# Altium PCB qfc.PcbDoc (part 8 of 13)
Units mil, origin at the board's own origin, x right, y up, seen from the top; angles counter-clockwise.
Board outline 1990 x 2620 mil, 4 copper layers (Top Layer, Mid-Layer 1, Mid-Layer 2, Bottom Layer); 217 components, 187 nets, 805 pads, 370 vias.
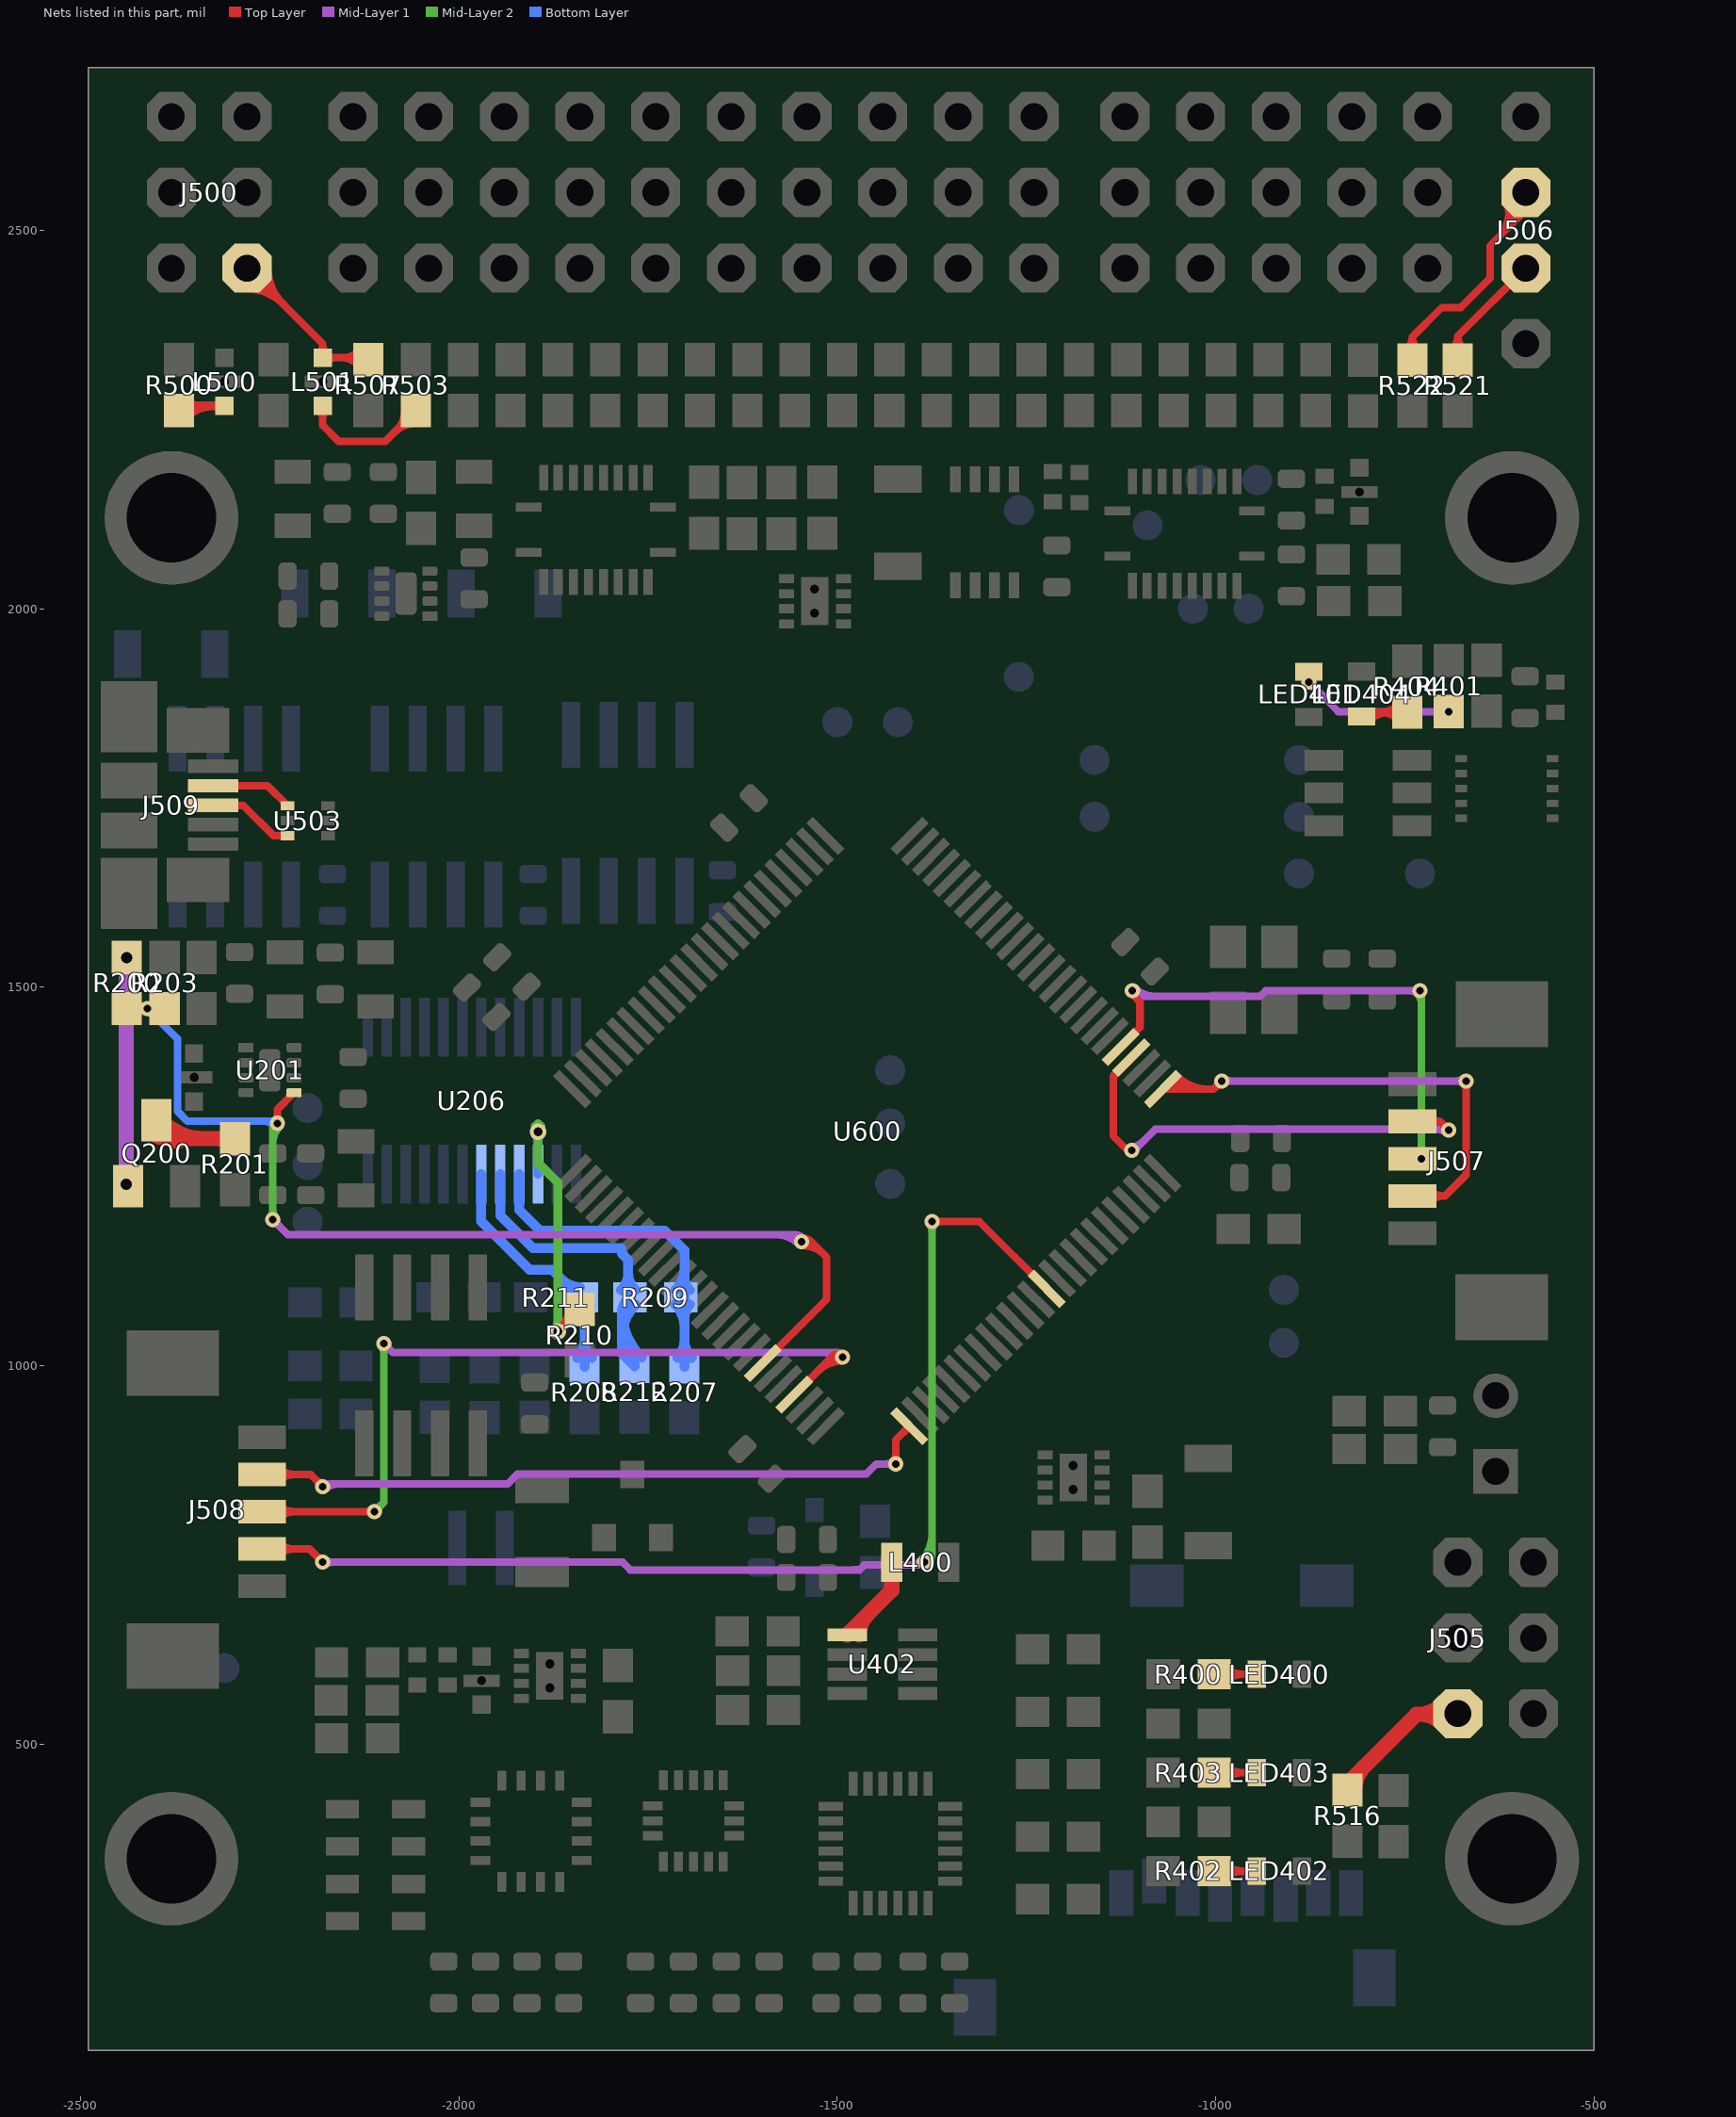
[diagram p10: the nets of this part, all layers, seen from the top]

## Via types
v1: diameter 20, hole 10, Top Layer to Bottom Layer, tented both sides, 256 vias
v2: diameter 22, hole 12, Top Layer to Bottom Layer, tented both sides, 31 vias
v3: diameter 25, hole 15, Top Layer to Bottom Layer, tented both sides, 29 vias
v4: diameter 20, hole 12, Top Layer to Bottom Layer, tented both sides, 17 vias
v5: diameter 30, hole 15, Top Layer to Bottom Layer, tented both sides, 12 vias
v6: diameter 25, hole 12, Top Layer to Bottom Layer, tented both sides, 11 vias
v7: diameter 25, hole 13, Top Layer to Bottom Layer, tented both sides, 5 vias
v8: diameter 40, hole 25, Top Layer to Bottom Layer, tented both sides, 2 vias
v9: diameter 23, hole 13, Top Layer to Bottom Layer, tented both sides, 2 vias
v10: diameter 30, hole 20, Top Layer to Bottom Layer, tented both sides, 2 vias
v11: diameter 20, hole 13, Top Layer to Bottom Layer, tented both sides, 1 vias
v12: diameter 20, hole 15, Top Layer to Bottom Layer, tented both sides, 1 vias
v13: diameter 30, hole 18, Top Layer to Bottom Layer, tented both sides, 1 vias

## Nets (pads, with @x,y where several pads share a name; then routed paths per layer and width w, separated by ;. In a path a pad name is that pad's centre, name@x,y a point inside that pad or via, vN(x,y) a via of type N, cw(c..) or ccw(c..) an arc to the next point about the centre after c; other vN are vias at no path point) (continued)
NetJ500_2: J500.2 L501.P$1 R507.2 | length 1347.9
  Top Layer w10: J500.2@-2280,2450 -2180,2350 L501.P$1@-2180,2331.5 R507.2@-2114.5,2331.5 ; J500.2@-2280,2422.5 cw(c-2280,2356.11) -2233.05,2403.06 ; J500.2@-2280,2422.5 cw(c-2280,2356.11) -2233.05,2403.06 ; J500.2@-2280,2422.5 cw(c-2280,2356.11) -2233.05,2403.06 ; J500.2@-2280,2422.5 cw(c-2280,2356.11) -2233.05,2403.06 ; J500.2@-2280,2432.5 cw(c-2280,2390.25) -2250.13,2420.13 ; J500.2@-2280,2432.5 cw(c-2280,2390.25) -2250.13,2420.13 ; J500.2@-2280,2432.5 cw(c-2280,2390.25) -2250.13,2420.13 ; J500.2@-2280,2432.5 cw(c-2280,2390.25) -2250.13,2420.13 ; J500.2@-2262.5,2450 ccw(c-2220.25,2450) -2250.13,2420.13 ; J500.2@-2262.5,2450 ccw(c-2220.25,2450) -2250.13,2420.13 ; J500.2@-2262.5,2450 ccw(c-2220.25,2450) -2250.13,2420.13 ; J500.2@-2262.5,2450 ccw(c-2220.25,2450) -2250.13,2420.13 ; J500.2@-2252.5,2450 ccw(c-2186.11,2450) -2233.05,2403.06 ; J500.2@-2252.5,2450 ccw(c-2186.11,2450) -2233.05,2403.06 ; J500.2@-2252.5,2450 ccw(c-2186.11,2450) -2233.05,2403.06 ; J500.2@-2252.5,2450 ccw(c-2186.11,2450) -2233.05,2403.06 ; L501.P$1@-2184.95,2336.45 ccw(c-2196.9,2348.4) -2180,2348.4 ; L501.P$1@-2184.95,2336.45 ccw(c-2196.9,2348.4) -2180,2348.4 ; L501.P$1@-2184.95,2336.45 ccw(c-2196.9,2348.4) -2180,2348.4 ; L501.P$1@-2184.95,2336.45 ccw(c-2196.9,2348.4) -2180,2348.4 ; -2180,2348.4 ccw(c-2163.1,2348.4) L501.P$1@-2175.05,2336.45 ; -2180,2348.4 ccw(c-2163.1,2348.4) L501.P$1@-2175.05,2336.45 ; -2180,2348.4 ccw(c-2163.1,2348.4) L501.P$1@-2175.05,2336.45 ; -2180,2348.4 ccw(c-2163.1,2348.4) L501.P$1@-2175.05,2336.45 ; L501.P$1@-2175.05,2326.55 cw(c-2163.1,2314.6) -2163.1,2331.5 ; L501.P$1@-2175.05,2326.55 cw(c-2163.1,2314.6) -2163.1,2331.5 ; L501.P$1@-2175.05,2326.55 cw(c-2163.1,2314.6) -2163.1,2331.5 ; L501.P$1@-2175.05,2326.55 cw(c-2163.1,2314.6) -2163.1,2331.5 ; L501.P$1@-2175.05,2336.45 ccw(c-2163.1,2348.4) -2163.1,2331.5 ; L501.P$1@-2175.05,2336.45 ccw(c-2163.1,2348.4) -2163.1,2331.5 ; L501.P$1@-2175.05,2336.45 ccw(c-2163.1,2348.4) -2163.1,2331.5 ; L501.P$1@-2175.05,2336.45 ccw(c-2163.1,2348.4) -2163.1,2331.5 ; -2157.04,2331.5 cw(c-2157.04,2293.59) R507.2@-2130.24,2320.39 ; -2157.04,2331.5 cw(c-2157.04,2293.59) R507.2@-2130.24,2320.39 ; -2157.04,2331.5 cw(c-2157.04,2293.59) R507.2@-2130.24,2320.39 ; -2157.04,2331.5 cw(c-2157.04,2293.59) R507.2@-2130.24,2320.39 ; -2154.65,2331.5 ccw(c-2154.65,2366.02) R507.2@-2130.24,2341.61 ; -2154.65,2331.5 ccw(c-2154.65,2366.02) R507.2@-2130.24,2341.61 ; -2154.65,2331.5 ccw(c-2154.65,2366.02) R507.2@-2130.24,2341.61 ; -2154.65,2331.5 ccw(c-2154.65,2366.02) R507.2@-2130.24,2341.61
NetJ505_1: J505.1 R516.2 | length 537.9
  Top Layer w20: R516.2@-825.76,438.96 -825.76,447.95 -734.71,539 ; J505.1@-681,539 -734.71,539 ; J505.1@-681,540 J505.1@-680,540 ; R516.2@-815.76,440.96 cw(c-774.73,440.96) -803.74,469.97 ; R516.2@-815.76,440.96 cw(c-774.73,440.96) -803.74,469.97 ; R516.2@-815.76,440.96 cw(c-774.73,440.96) -803.74,469.97 ; -734.71,539 ccw(c-734.71,591.92) J505.1@-696.32,555.49 ; -734.71,539 ccw(c-734.71,591.92) J505.1@-696.32,555.49 ; -734.71,539 ccw(c-734.71,591.92) J505.1@-696.32,555.49 ; -731.9,539 cw(c-731.9,488.1) J505.1@-695.91,524.09 ; -731.9,539 cw(c-731.9,488.1) J505.1@-695.91,524.09 ; -731.9,539 cw(c-731.9,488.1) J505.1@-695.91,524.09
NetJ506_1: J506.1 R521.1 | length 321
  Top Layer w10: R521.1@-680,2328.46 -680,2360 ; J506.1@-590,2450 -680,2360 ; R521.1@-688.85,2342.58 ccw(c-701.57,2360) -680,2360 ; R521.1@-688.85,2342.58 ccw(c-701.57,2360) -680,2360 ; R521.1@-688.85,2342.58 ccw(c-701.57,2360) -680,2360 ; R521.1@-688.85,2342.58 ccw(c-701.57,2360) -680,2360 ; -680,2360 ccw(c-658.43,2360) R521.1@-671.16,2342.58 ; -680,2360 ccw(c-658.43,2360) R521.1@-671.16,2342.58 ; -680,2360 ccw(c-658.43,2360) R521.1@-671.16,2342.58 ; -680,2360 ccw(c-658.43,2360) R521.1@-671.16,2342.58
NetJ506_2: J506.2 R522.1 | length 993
  Top Layer w10: R522.1@-740,2328.47 -740,2359 ; J506.2@-590,2550 -590,2527 -637.5,2479.5 -637.5,2436.5 -676,2398 -701,2398 -740,2359 ; R522.1@-748.5,2342.82 ccw(c-759.64,2359) -740,2359 ; R522.1@-748.5,2342.82 ccw(c-759.64,2359) -740,2359 ; R522.1@-748.5,2342.82 ccw(c-759.64,2359) -740,2359 ; R522.1@-748.5,2342.82 ccw(c-759.64,2359) -740,2359 ; -740,2359 ccw(c-720.36,2359) R522.1@-731.5,2342.82 ; -740,2359 ccw(c-720.36,2359) R522.1@-731.5,2342.82 ; -740,2359 ccw(c-720.36,2359) R522.1@-731.5,2342.82 ; -740,2359 ccw(c-720.36,2359) R522.1@-731.5,2342.82 ; -626,2491 ccw(c-658.48,2523.48) J506.2@-615.64,2540.07 ; -626,2491 ccw(c-658.48,2523.48) J506.2@-615.64,2540.07 ; -626,2491 ccw(c-658.48,2523.48) J506.2@-615.64,2540.07 ; -626,2491 ccw(c-658.48,2523.48) J506.2@-615.64,2540.07 ; -615.14,2501.86 ccw(c-642.83,2529.54) J506.2@-606.32,2543.68 ; -615.14,2501.86 ccw(c-642.83,2529.54) J506.2@-606.32,2543.68 ; -615.14,2501.86 ccw(c-642.83,2529.54) J506.2@-606.32,2543.68 ; -615.14,2501.86 ccw(c-642.83,2529.54) J506.2@-606.32,2543.68 ; -604.29,2512.71 ccw(c-627.18,2535.6) J506.2@-596.99,2547.29 ; -604.29,2512.71 ccw(c-627.18,2535.6) J506.2@-596.99,2547.29 ; -604.29,2512.71 ccw(c-627.18,2535.6) J506.2@-596.99,2547.29 ; -604.29,2512.71 ccw(c-627.18,2535.6) J506.2@-596.99,2547.29
NetJ507_2: J507.2 U600.1 | length 1400.6
  Top Layer w10: U600.1@-1069.7,1365.13 -1002.87,1365.13 v1(-992,1376) ; J507.2@-740,1223.94 -697.06,1223.94 -669,1252 v1(-669,1376) ; U600.1@-1066.17,1368.66 ccw(c-1057.63,1377.2) -1057.63,1365.13 ; U600.1@-1066.17,1368.66 ccw(c-1057.63,1377.2) -1057.63,1365.13 ; U600.1@-1066.17,1368.66 ccw(c-1057.63,1377.2) -1057.63,1365.13 ; U600.1@-1066.17,1368.66 ccw(c-1057.63,1377.2) -1057.63,1365.13 ; U600.1@-1059.1,1375.73 ccw(c-1033.49,1401.34) -1033.49,1365.13 ; U600.1@-1059.1,1375.73 ccw(c-1033.49,1401.34) -1033.49,1365.13 ; U600.1@-1059.1,1375.73 ccw(c-1033.49,1401.34) -1033.49,1365.13 ; U600.1@-1059.1,1375.73 ccw(c-1033.49,1401.34) -1033.49,1365.13 ; U600.1@-1052.03,1382.8 ccw(c-1009.35,1425.48) -1009.35,1365.13 ; U600.1@-1052.03,1382.8 ccw(c-1009.35,1425.48) -1009.35,1365.13 ; U600.1@-1052.03,1382.8 ccw(c-1009.35,1425.48) -1009.35,1365.13 ; U600.1@-1052.03,1382.8 ccw(c-1009.35,1425.48) -1009.35,1365.13 ; -1000.54,1367.46 cw(c-992,1358.93) v1@-992,1371 ; -1000.54,1367.46 ccw(c-1009.07,1376) v1@-997,1376 ; -1000.54,1367.46 cw(c-992,1358.93) v1@-992,1371 ; -1000.54,1367.46 ccw(c-1009.07,1376) v1@-997,1376 ; -1000.54,1367.46 cw(c-992,1358.93) v1@-992,1371 ; -1000.54,1367.46 ccw(c-1009.07,1376) v1@-997,1376 ; J507.2@-716.65,1216.34 cw(c-698.3,1197.99) -698.3,1223.94 ; J507.2@-716.65,1216.34 cw(c-698.3,1197.99) -698.3,1223.94 ; J507.2@-716.65,1216.34 cw(c-698.3,1197.99) -698.3,1223.94 ; J507.2@-716.65,1216.34 cw(c-698.3,1197.99) -698.3,1223.94 ; J507.2@-716.65,1231.54 ccw(c-698.3,1249.88) -698.3,1223.94 ; J507.2@-716.65,1231.54 ccw(c-698.3,1249.88) -698.3,1223.94 ; J507.2@-716.65,1231.54 ccw(c-698.3,1249.88) -698.3,1223.94 ; J507.2@-716.65,1231.54 ccw(c-698.3,1249.88) -698.3,1223.94 ; v1@-672.54,1372.46 cw(c-681.07,1363.93) -669,1363.93 ; v1@-672.54,1372.46 cw(c-681.07,1363.93) -669,1363.93 ; v1@-672.54,1372.46 cw(c-681.07,1363.93) -669,1363.93 ; v1@-672.54,1372.46 cw(c-681.07,1363.93) -669,1363.93 ; -669,1363.93 cw(c-656.93,1363.93) v1@-665.46,1372.46 ; -669,1363.93 cw(c-656.93,1363.93) v1@-665.46,1372.46 ; -669,1363.93 cw(c-656.93,1363.93) v1@-665.46,1372.46 ; -669,1363.93 cw(c-656.93,1363.93) v1@-665.46,1372.46
  Mid-Layer 1 w10: v1(-992,1376) v1(-669,1376) ; v1@-988.46,1372.46 cw(c-979.93,1363.93) -979.93,1376 ; v1@-988.46,1372.46 cw(c-979.93,1363.93) -979.93,1376 ; v1@-988.46,1372.46 cw(c-979.93,1363.93) -979.93,1376 ; v1@-988.46,1372.46 cw(c-979.93,1363.93) -979.93,1376 ; v1@-988.46,1379.54 ccw(c-979.93,1388.07) -979.93,1376 ; v1@-988.46,1379.54 ccw(c-979.93,1388.07) -979.93,1376 ; v1@-988.46,1379.54 ccw(c-979.93,1388.07) -979.93,1376 ; v1@-988.46,1379.54 ccw(c-979.93,1388.07) -979.93,1376 ; -681.07,1376 cw(c-681.07,1363.93) v1@-672.54,1372.46 ; -681.07,1376 ccw(c-681.07,1388.07) v1@-672.54,1379.54 ; -681.07,1376 cw(c-681.07,1363.93) v1@-672.54,1372.46 ; -681.07,1376 ccw(c-681.07,1388.07) v1@-672.54,1379.54 ; -681.07,1376 cw(c-681.07,1363.93) v1@-672.54,1372.46 ; -681.07,1376 ccw(c-681.07,1388.07) v1@-672.54,1379.54 ; -681.07,1376 cw(c-681.07,1363.93) v1@-672.54,1372.46 ; -681.07,1376 ccw(c-681.07,1388.07) v1@-672.54,1379.54
NetJ507_3: J507.3 U600.5 | length 1138.5
  Top Layer w10: U600.5@-1125.57,1420.99 -1100,1446.55 -1100,1480 -1110,1490 v1(-1110,1495) ; v1(-728.15,1273.15) J507.3@-740,1273.15 ; v1@-1105.22,1493.52 ccw(c-1094.73,1490.27) -1102.5,1482.5 ; v1@-1105.22,1493.52 ccw(c-1094.73,1490.27) -1102.5,1482.5 ; v1@-1105.22,1493.52 ccw(c-1094.73,1490.27) -1102.5,1482.5 ; v1@-1105.22,1493.52 ccw(c-1094.73,1490.27) -1102.5,1482.5 ; J507.3@-740,1273.15 cw(c-740,1261.61) J507.3@-731.73,1269.66 ; J507.3@-740,1273.15 ccw(c-740,1284.69) J507.3@-731.73,1276.64 ; J507.3@-740,1273.15 cw(c-740,1261.61) J507.3@-731.73,1269.66 ; J507.3@-740,1273.15 ccw(c-740,1284.69) J507.3@-731.73,1276.64 ; J507.3@-740,1273.15 cw(c-740,1261.61) J507.3@-731.73,1269.66 ; J507.3@-740,1273.15 ccw(c-740,1284.69) J507.3@-731.73,1276.64
  Mid-Layer 1 w10: v1(-1110,1495) -1102.65,1487.65 -941.23,1487.65 -933.89,1495 v1(-730,1495) ; v1@-1106.46,1498.54 ccw(c-1080.2,1524.8) -1080.2,1487.65 ; v1@-1106.46,1498.54 ccw(c-1080.2,1524.8) -1080.2,1487.65 ; v1@-1106.46,1498.54 ccw(c-1080.2,1524.8) -1080.2,1487.65 ; v1@-1106.46,1498.54 ccw(c-1080.2,1524.8) -1080.2,1487.65 ; -742.07,1495 cw(c-742.07,1482.93) v1@-733.54,1491.46 ; -742.07,1495 ccw(c-742.07,1507.07) v1@-733.54,1498.54 ; -742.07,1495 cw(c-742.07,1482.93) v1@-733.54,1491.46 ; -742.07,1495 ccw(c-742.07,1507.07) v1@-733.54,1498.54 ; -742.07,1495 cw(c-742.07,1482.93) v1@-733.54,1491.46 ; -742.07,1495 ccw(c-742.07,1507.07) v1@-733.54,1498.54 ; -742.07,1495 cw(c-742.07,1482.93) v1@-733.54,1491.46 ; -742.07,1495 ccw(c-742.07,1507.07) v1@-733.54,1498.54
  Mid-Layer 2 w10: v1(-730,1495) -728.15,1493.15 v1(-728.15,1273.15) ; v1@-733.54,1491.46 cw(c-746.54,1478.46) -728.15,1478.46 ; v1@-733.54,1491.46 cw(c-746.54,1478.46) -728.15,1478.46 ; v1@-733.54,1491.46 cw(c-746.54,1478.46) -728.15,1478.46 ; v1@-733.54,1491.46 cw(c-746.54,1478.46) -728.15,1478.46 ; v1@-731.68,1276.68 ccw(c-740.22,1285.22) -728.15,1285.22 ; v1@-731.68,1276.68 ccw(c-740.22,1285.22) -728.15,1285.22 ; v1@-731.68,1276.68 ccw(c-740.22,1285.22) -728.15,1285.22 ; v1@-731.68,1276.68 ccw(c-740.22,1285.22) -728.15,1285.22 ; -728.15,1285.22 ccw(c-716.08,1285.22) v1@-724.61,1276.68 ; -728.15,1285.22 ccw(c-716.08,1285.22) v1@-724.61,1276.68 ; -728.15,1285.22 ccw(c-716.08,1285.22) v1@-724.61,1276.68 ; -728.15,1285.22 ccw(c-716.08,1285.22) v1@-724.61,1276.68
NetJ507_4: J507.4 U600.4 | length 966.3
  Top Layer w10: U600.4@-1111.42,1406.85 -1111.42,1405.43 -1135.44,1381.41 -1135.44,1303.33 -1116.11,1284 v1(-1111,1284) ; J507.4@-740,1322.36 -703.36,1322.36 ; v1(-692,1311) -703.36,1322.36 ; -1135.44,1378.86 cw(c-1124.88,1378.86) U600.4@-1128.09,1388.92 ; -1135.44,1378.86 cw(c-1124.88,1378.86) U600.4@-1128.09,1388.92 ; -1135.44,1378.86 cw(c-1124.88,1378.86) U600.4@-1128.09,1388.92 ; -1135.44,1378.86 cw(c-1124.88,1378.86) U600.4@-1128.09,1388.92 ; J507.4@-715.51,1316.11 cw(c-703.36,1307.44) -703.36,1322.36 ; J507.4@-715.51,1316.11 cw(c-703.36,1307.44) -703.36,1322.36 ; J507.4@-715.51,1316.11 cw(c-703.36,1307.44) -703.36,1322.36 ; J507.4@-715.51,1316.11 cw(c-703.36,1307.44) -703.36,1322.36 ; J507.4@-715.51,1328.61 ccw(c-703.36,1337.29) -703.36,1322.36 ; J507.4@-715.51,1328.61 ccw(c-703.36,1337.29) -703.36,1322.36 ; J507.4@-715.51,1328.61 ccw(c-703.36,1337.29) -703.36,1322.36 ; J507.4@-715.51,1328.61 ccw(c-703.36,1337.29) -703.36,1322.36 ; -700.54,1319.54 cw(c-709.07,1311) v1@-697,1311 ; -700.54,1319.54 ccw(c-692,1328.07) v1@-692,1316 ; -700.54,1319.54 cw(c-709.07,1311) v1@-697,1311 ; -700.54,1319.54 ccw(c-692,1328.07) v1@-692,1316 ; -700.54,1319.54 cw(c-709.07,1311) v1@-697,1311 ; -700.54,1319.54 ccw(c-692,1328.07) v1@-692,1316
  Mid-Layer 1 w10: v1@-1113,1286 v1(-1111,1284) -1107.89,1284 -1079.89,1312 -693,1312 v1(-692,1311) ; v1@-1111,1289 ccw(c-1111,1308.59) -1097.15,1294.74 ; v1@-1111,1289 ccw(c-1111,1308.59) -1097.15,1294.74 ; v1@-1111,1289 ccw(c-1111,1308.59) -1097.15,1294.74 ; v1@-1111,1289 ccw(c-1111,1308.59) -1097.15,1294.74 ; -706.49,1312 cw(c-706.49,1296.51) v1@-695.54,1307.46 ; -706.49,1312 cw(c-706.49,1296.51) v1@-695.54,1307.46 ; -706.49,1312 cw(c-706.49,1296.51) v1@-695.54,1307.46 ; -706.49,1312 cw(c-706.49,1296.51) v1@-695.54,1307.46
NetJ508_2: J508.2 U600.76 | length 1379.3
  Top Layer w10: J508.2@-2260,856.06 -2196.06,856.06 v1(-2180,840) ; v1(-1423,870) -1423,901.52 U600.76@-1404.84,919.68 ; J508.2@-2236.65,848.46 cw(c-2218.3,830.11) -2218.3,856.06 ; J508.2@-2236.65,848.46 cw(c-2218.3,830.11) -2218.3,856.06 ; J508.2@-2236.65,848.46 cw(c-2218.3,830.11) -2218.3,856.06 ; J508.2@-2236.65,848.46 cw(c-2218.3,830.11) -2218.3,856.06 ; J508.2@-2236.65,863.66 ccw(c-2218.3,882.01) -2218.3,856.06 ; J508.2@-2236.65,863.66 ccw(c-2218.3,882.01) -2218.3,856.06 ; J508.2@-2236.65,863.66 ccw(c-2218.3,882.01) -2218.3,856.06 ; J508.2@-2236.65,863.66 ccw(c-2218.3,882.01) -2218.3,856.06 ; -2188.54,848.54 cw(c-2197.07,840) v1@-2185,840 ; -2188.54,848.54 ccw(c-2180,857.07) v1@-2180,845 ; -2188.54,848.54 cw(c-2197.07,840) v1@-2185,840 ; -2188.54,848.54 ccw(c-2180,857.07) v1@-2180,845 ; -2188.54,848.54 cw(c-2197.07,840) v1@-2185,840 ; -2188.54,848.54 ccw(c-2180,857.07) v1@-2180,845 ; -2188.54,848.54 cw(c-2197.07,840) v1@-2185,840 ; -2188.54,848.54 ccw(c-2180,857.07) v1@-2180,845 ; v1@-1426.54,873.54 ccw(c-1435.07,882.07) -1423,882.07 ; v1@-1426.54,873.54 ccw(c-1435.07,882.07) -1423,882.07 ; v1@-1426.54,873.54 ccw(c-1435.07,882.07) -1423,882.07 ; v1@-1426.54,873.54 ccw(c-1435.07,882.07) -1423,882.07 ; -1423,882.07 ccw(c-1410.93,882.07) v1@-1419.46,873.54 ; -1423,882.07 ccw(c-1410.93,882.07) v1@-1419.46,873.54 ; -1423,882.07 ccw(c-1410.93,882.07) v1@-1419.46,873.54 ; -1423,882.07 ccw(c-1410.93,882.07) v1@-1419.46,873.54
  Mid-Layer 1 w10: v1(-2180,840) -2176.5,843.5 -1935.39,843.5 -1922.39,856.5 -1461.6,856.5 -1448.1,870 v1(-1423,870) ; v1@-2176.46,836.46 cw(c-2159.48,819.48) -2159.48,843.5 ; v1@-2176.46,836.46 cw(c-2159.48,819.48) -2159.48,843.5 ; v1@-2176.46,836.46 cw(c-2159.48,819.48) -2159.48,843.5 ; v1@-2176.46,836.46 cw(c-2159.48,819.48) -2159.48,843.5 ; -1435.07,870 cw(c-1435.07,857.93) v1@-1426.54,866.46 ; -1435.07,870 ccw(c-1435.07,882.07) v1@-1426.54,873.54 ; -1435.07,870 cw(c-1435.07,857.93) v1@-1426.54,866.46 ; -1435.07,870 ccw(c-1435.07,882.07) v1@-1426.54,873.54 ; -1435.07,870 cw(c-1435.07,857.93) v1@-1426.54,866.46 ; -1435.07,870 ccw(c-1435.07,882.07) v1@-1426.54,873.54 ; -1435.07,870 cw(c-1435.07,857.93) v1@-1426.54,866.46 ; -1435.07,870 ccw(c-1435.07,882.07) v1@-1426.54,873.54
NetJ508_3: J508.3 U600.72 | length 1812.1
  Top Layer w10: J508.3@-2260,806.85 v1(-2111.85,806.85) ; U600.72@-1556.87,961.4 -1503.54,1014.73 ; J508.3@-2236.65,799.25 cw(c-2218.3,780.9) -2218.3,806.85 ; J508.3@-2236.65,799.25 cw(c-2218.3,780.9) -2218.3,806.85 ; J508.3@-2236.65,799.25 cw(c-2218.3,780.9) -2218.3,806.85 ; J508.3@-2236.65,799.25 cw(c-2218.3,780.9) -2218.3,806.85 ; J508.3@-2236.65,814.45 ccw(c-2218.3,832.8) -2218.3,806.85 ; J508.3@-2236.65,814.45 ccw(c-2218.3,832.8) -2218.3,806.85 ; J508.3@-2236.65,814.45 ccw(c-2218.3,832.8) -2218.3,806.85 ; J508.3@-2236.65,814.45 ccw(c-2218.3,832.8) -2218.3,806.85 ; -2123.92,806.85 cw(c-2123.92,794.78) v1@-2115.39,803.31 ; -2123.92,806.85 ccw(c-2123.92,818.92) v1@-2115.39,810.39 ; -2123.92,806.85 cw(c-2123.92,794.78) v1@-2115.39,803.31 ; -2123.92,806.85 ccw(c-2123.92,818.92) v1@-2115.39,810.39 ; -2123.92,806.85 cw(c-2123.92,794.78) v1@-2115.39,803.31 ; -2123.92,806.85 ccw(c-2123.92,818.92) v1@-2115.39,810.39 ; -2123.92,806.85 cw(c-2123.92,794.78) v1@-2115.39,803.31 ; -2123.92,806.85 ccw(c-2123.92,818.92) v1@-2115.39,810.39 ; -1525.9,992.37 cw(c-1493,959.48) v1@-1493,1006 ; -1525.9,992.37 cw(c-1493,959.48) v1@-1493,1006 ; -1525.9,992.37 cw(c-1493,959.48) v1@-1493,1006 ; -1525.9,992.37 cw(c-1493,959.48) v1@-1493,1006 ; -1508.82,1009.45 cw(c-1493,993.62) v1@-1493,1016 ; -1508.82,1009.45 cw(c-1493,993.62) v1@-1493,1016 ; -1508.82,1009.45 cw(c-1493,993.62) v1@-1493,1016 ; -1508.82,1009.45 cw(c-1493,993.62) v1@-1493,1016
  Mid-Layer 1 w10: v1(-2099.5,1029.04) -2087.46,1017 -1618,1017 -1499,1017 v1(-1493,1011) ; v1@-2099.5,1024.04 cw(c-2099.5,1011.97) -2090.96,1020.5 ; v1@-2099.5,1024.04 cw(c-2099.5,1011.97) -2090.96,1020.5 ; v1@-2099.5,1024.04 cw(c-2099.5,1011.97) -2090.96,1020.5 ; v1@-2094.5,1029.04 ccw(c-2082.43,1029.04) -2090.96,1020.5 ; v1@-2094.5,1029.04 ccw(c-2082.43,1029.04) -2090.96,1020.5 ; v1@-2094.5,1029.04 ccw(c-2082.43,1029.04) -2090.96,1020.5 ; -1519.56,1017 cw(c-1519.56,984.44) v1@-1496.54,1007.46 ; -1519.56,1017 cw(c-1519.56,984.44) v1@-1496.54,1007.46 ; -1519.56,1017 cw(c-1519.56,984.44) v1@-1496.54,1007.46 ; -1519.56,1017 cw(c-1519.56,984.44) v1@-1496.54,1007.46
  Mid-Layer 2 w10: v1(-2111.85,806.85) -2099.5,819.2 v1(-2099.5,1029.04) ; v1@-2111.85,811.85 ccw(c-2111.85,823.92) -2103.31,815.39 ; v1@-2111.85,811.85 ccw(c-2111.85,823.92) -2103.31,815.39 ; v1@-2111.85,811.85 ccw(c-2111.85,823.92) -2103.31,815.39 ; v1@-2106.85,806.85 cw(c-2094.78,806.85) -2103.31,815.39 ; v1@-2106.85,806.85 cw(c-2094.78,806.85) -2103.31,815.39 ; v1@-2106.85,806.85 cw(c-2094.78,806.85) -2103.31,815.39 ; v1@-2103.04,1025.5 cw(c-2111.57,1016.97) -2099.5,1016.97 ; v1@-2103.04,1025.5 cw(c-2111.57,1016.97) -2099.5,1016.97 ; v1@-2103.04,1025.5 cw(c-2111.57,1016.97) -2099.5,1016.97 ; v1@-2103.04,1025.5 cw(c-2111.57,1016.97) -2099.5,1016.97 ; -2099.5,1016.97 cw(c-2087.43,1016.97) v1@-2095.96,1025.5 ; -2099.5,1016.97 cw(c-2087.43,1016.97) v1@-2095.96,1025.5 ; -2099.5,1016.97 cw(c-2087.43,1016.97) v1@-2095.96,1025.5 ; -2099.5,1016.97 cw(c-2087.43,1016.97) v1@-2095.96,1025.5
NetJ508_4: J508.4 U600.89 | length 2289.7
  Top Layer w10: J508.4@-2260,757.64 -2197.64,757.64 v1(-2180,740) ; v1(-1375,1190) -1312.16,1190 U600.89@-1223.34,1101.18 ; J508.4@-2236.65,750.04 cw(c-2218.3,731.69) -2218.3,757.64 ; J508.4@-2236.65,750.04 cw(c-2218.3,731.69) -2218.3,757.64 ; J508.4@-2236.65,750.04 cw(c-2218.3,731.69) -2218.3,757.64 ; J508.4@-2236.65,750.04 cw(c-2218.3,731.69) -2218.3,757.64 ; J508.4@-2236.65,765.24 ccw(c-2218.3,783.59) -2218.3,757.64 ; J508.4@-2236.65,765.24 ccw(c-2218.3,783.59) -2218.3,757.64 ; J508.4@-2236.65,765.24 ccw(c-2218.3,783.59) -2218.3,757.64 ; J508.4@-2236.65,765.24 ccw(c-2218.3,783.59) -2218.3,757.64 ; -2188.54,748.54 cw(c-2197.07,740) v1@-2185,740 ; -2188.54,748.54 ccw(c-2180,757.07) v1@-2180,745 ; -2188.54,748.54 cw(c-2197.07,740) v1@-2185,740 ; -2188.54,748.54 ccw(c-2180,757.07) v1@-2180,745 ; -2188.54,748.54 cw(c-2197.07,740) v1@-2185,740 ; -2188.54,748.54 ccw(c-2180,757.07) v1@-2180,745 ; -2188.54,748.54 cw(c-2197.07,740) v1@-2185,740 ; -2188.54,748.54 ccw(c-2180,757.07) v1@-2180,745 ; v1@-1371.46,1186.46 cw(c-1362.93,1177.93) -1362.93,1190 ; v1@-1371.46,1186.46 cw(c-1362.93,1177.93) -1362.93,1190 ; v1@-1371.46,1186.46 cw(c-1362.93,1177.93) -1362.93,1190 ; v1@-1371.46,1186.46 cw(c-1362.93,1177.93) -1362.93,1190 ; v1@-1371.46,1193.54 ccw(c-1362.93,1202.07) -1362.93,1190 ; v1@-1371.46,1193.54 ccw(c-1362.93,1202.07) -1362.93,1190 ; v1@-1371.46,1193.54 ccw(c-1362.93,1202.07) -1362.93,1190 ; v1@-1371.46,1193.54 ccw(c-1362.93,1202.07) -1362.93,1190